# Altium PCB MainBoard.PcbDoc (part 2 of 4)
Units mm, origin at the board's own origin, x right, y up, seen from the top; angles counter-clockwise.
Board outline 107.12 x 107.12 mm, 4 copper layers (Top Layer, Internal Plane 1, Internal Plane 2, Bottom Layer), stack 1.56 mm thick; 344 components, 254 nets, 1322 pads, 508 vias.
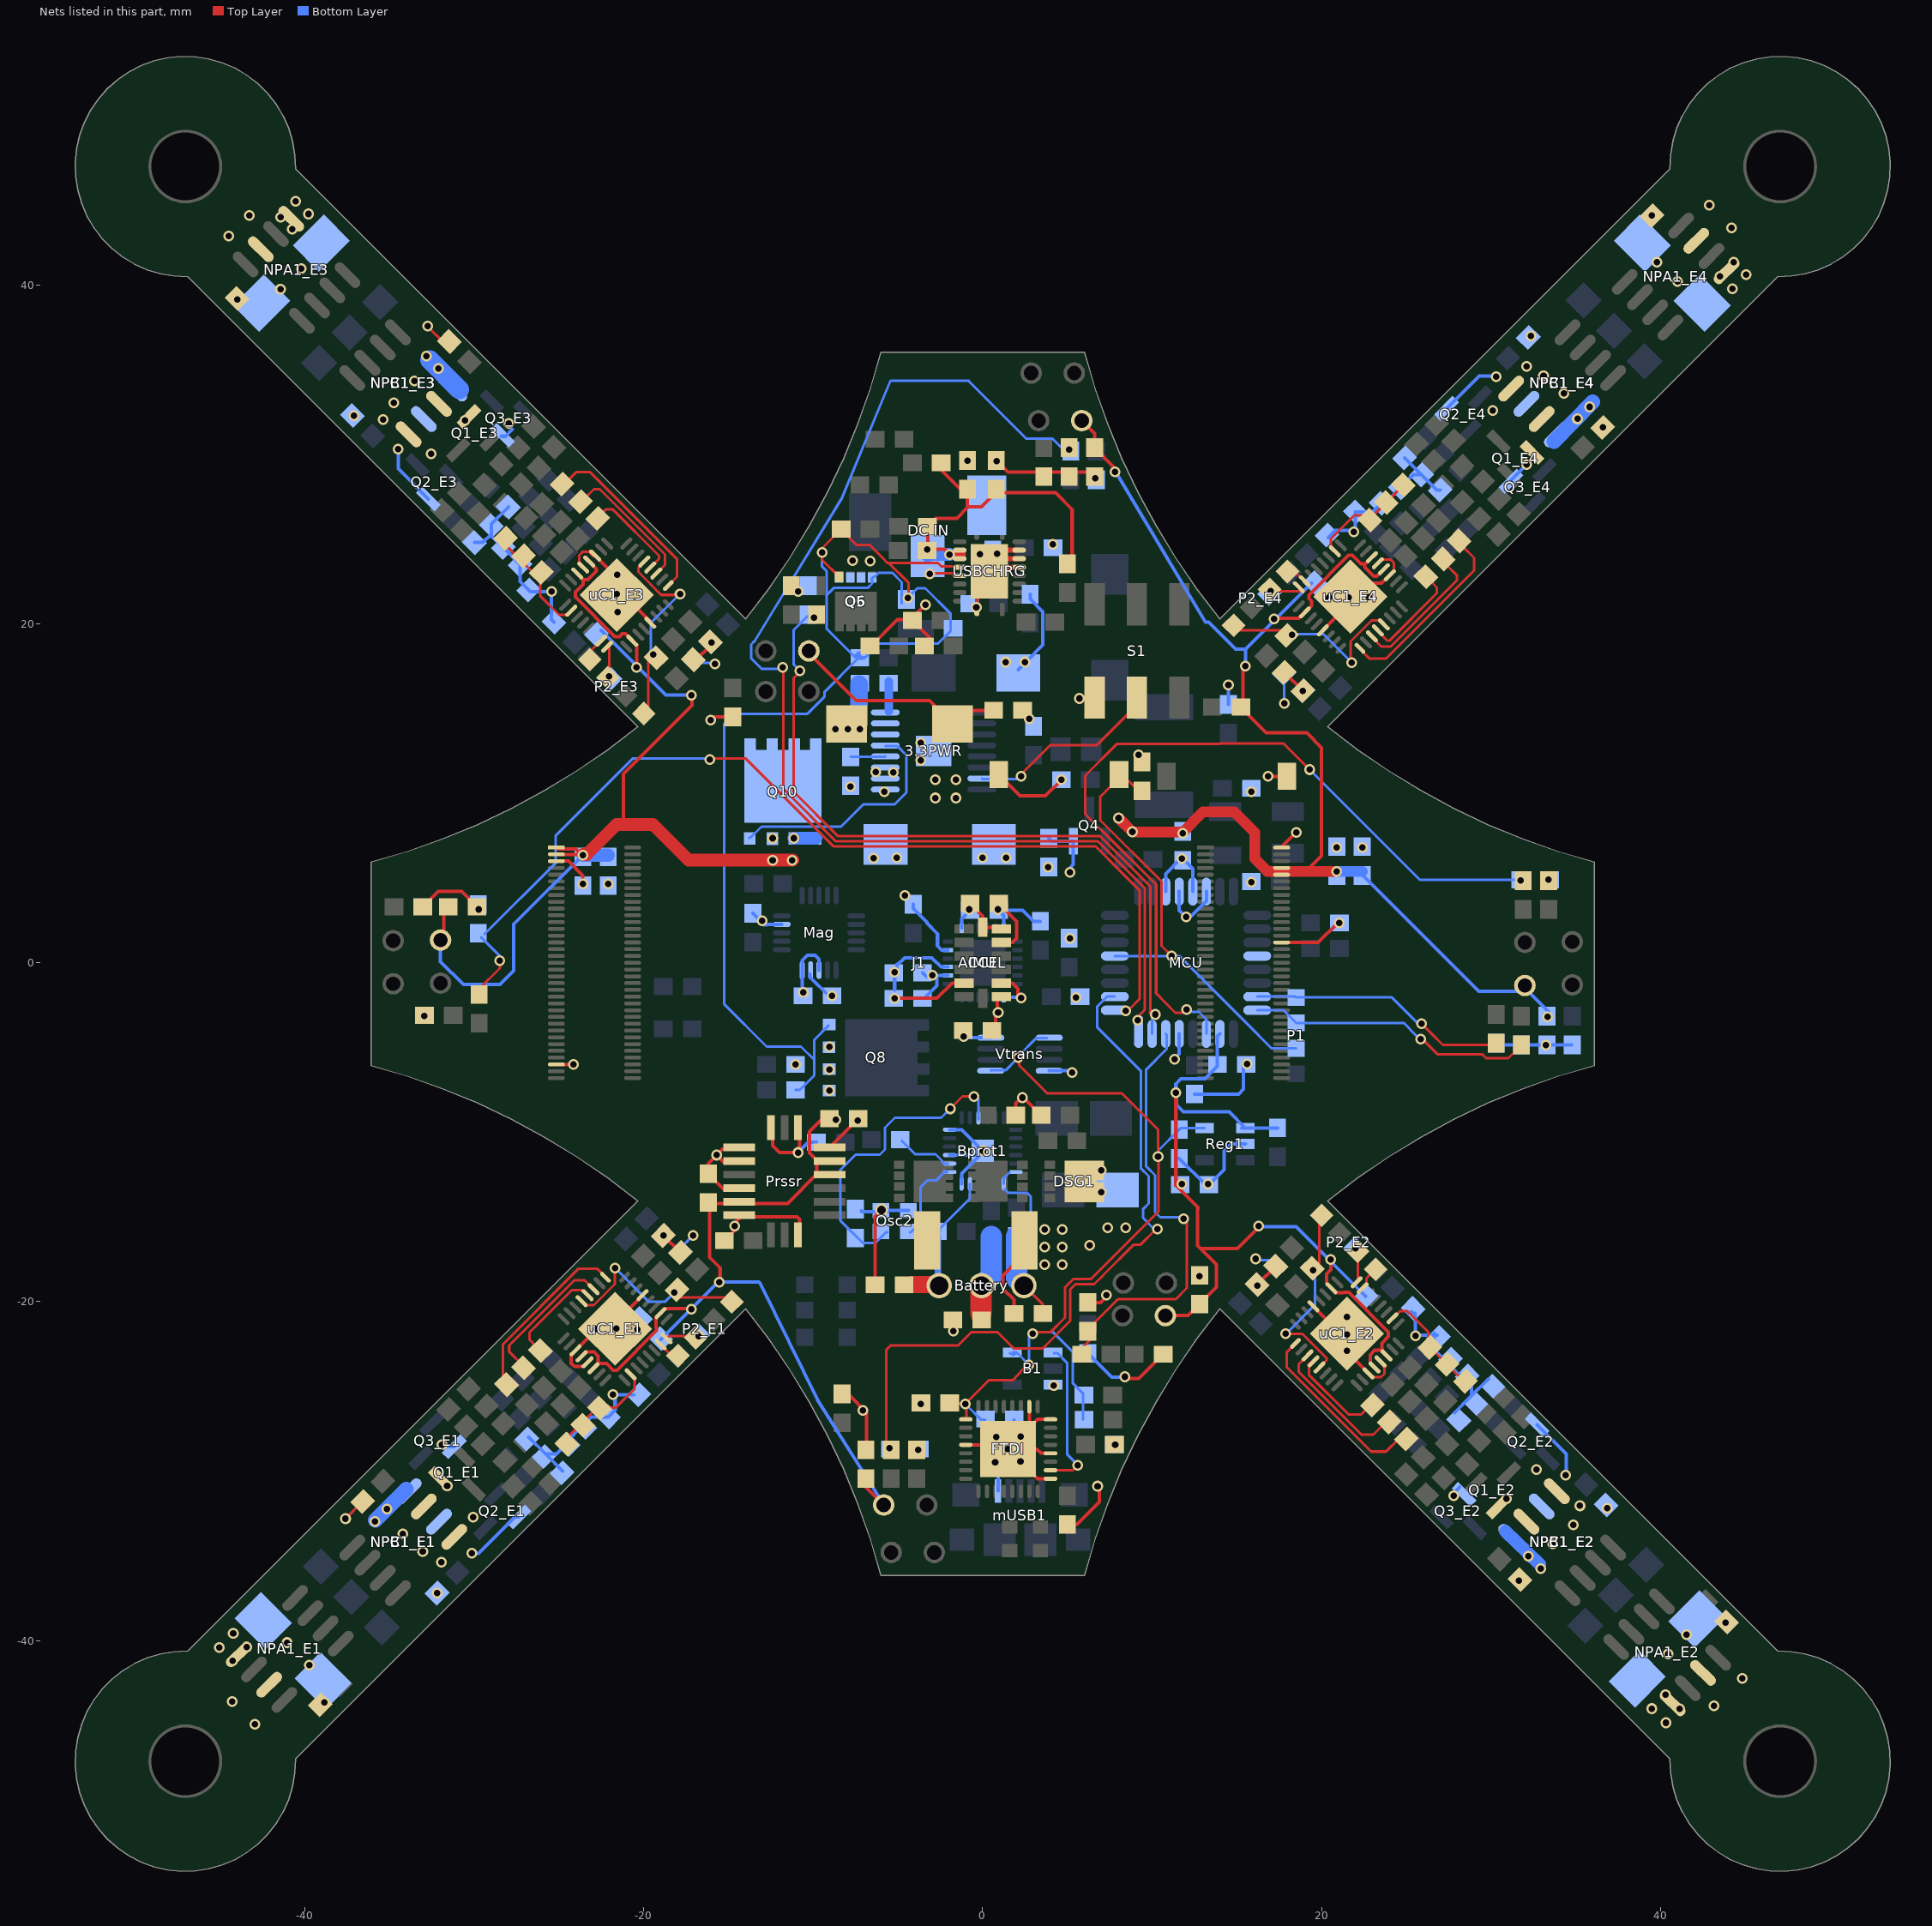
[diagram p4: the nets of this part, all layers, seen from the top]

## Part data
3.3PWR: library part TPS54356
B1: library part 74AHC1G126DCK
C1 C2 C3 C4 C5 C6 C7 C8 C9 C10 C24 C25 C26 C27 C28 C29 C30 C31 C32 C33 C34 C35 C36 C37 C38 C39 C40 C41 C42 C43 C44 C45_E1 C45_E2 C45_E3 C45_E4 C46 C48 C51 C53 C54 C55_E1 C55_E2 C55_E3 C55_E4 C56 C57 C58 C60 C61 C62 C63 C64 C65 Cesc1_E1 Cesc1_E2 Cesc1_E3 Cesc1_E4: library part Cap, "Capacitor"
C11 C12 C13 C14 C15 C16 C18 C19 C20 C21 C22 C23: "Capacitor"
C47_E1 C47_E2 C47_E3 C47_E4 C66: "Solid Tantalum Chip Capacitor, T492 Series - CWR11 Style Per Mil-PRF-55365/8"
C50 C52: "Polarized Capacitor (Surface Mount)"
C59: "Polymer Tantalum Chip Capacitor, T520 Series - KO-CAP Polymer"
CHG1 DSG1 Q5 Q6 Q7: "P-Channel MOSFET"
CHRG DONE LED1 LED2 LED_E1 LED_E2 LED_E3 LED_E4 PWR PWRON RX1 TX1: "Typical INFRARED GaAs LED"
D14 D15: "Schottky Rectifier"
"DC IN": "Low Voltage Power Supply Connector"
E1 E2 E3 E4 E5 E6: library part LED0, "Typical INFRARED GaAs LED"
FB2 FB3: library part Inductor, "Inductor"
FTDI: "FT232R USB UART"
"GSTIX RESET" RESET S1: "Switch"
IMU: library part IMU-3000, "Triple axis gyroscope with built in sensor fusion with external accelerometer"
J1: library part GUMSTIX
JP3 JP4: library part Res2, "Resistor"
Mag: library part "Magnetometer HMC5843"
MCU uC1_E1 uC1_E2 uC1_E3 uC1_E4: "8-Bit AVR Microcontroller with 8K Bytes of In-System Programmable Flash Memory"
MTR1_E1 MTR1_E2 MTR1_E3 MTR1_E4: library part MOTOR
NPA1_E1 NPA1_E2 NPA1_E3 NPA1_E4 NPB1_E1 NPB1_E2 NPB1_E3 NPB1_E4 NPC1_E1 NPC1_E2 NPC1_E3 NPC1_E4: library part AP4503AGM
Osc2: library part 32Khz_Oscillator
P1 P2_E1 P2_E2 P2_E3 P2_E4: "Header, 4-Pin"
Q1_E1 Q1_E2 Q1_E3 Q1_E4 Q2_E1 Q2_E2 Q2_E3 Q2_E4 Q3_E1 Q3_E2 Q3_E3 Q3_E4: "NPN General Purpose Amplifier"
Q4: library part MOSFET-P, "P-Channel MOSFET"
Q8 Q10: "N-Channel MOSFET"
R1 R2 R3 R4_E1 R4_E2 R4_E3 R4_E4 R5_E1 R5_E2 R5_E3 R5_E4 R7_E1 R7_E2 R7_E3 R7_E4 R8_E1 R8_E2 R8_E3 R8_E4 R9_E1 R9_E2 R9_E3 R9_E4 R10_E1 R10_E2 R10_E3 R10_E4 R12_E1 R12_E2 R12_E3 R12_E4 R13_E1 R13_E2 R13_E3 R13_E4 R14_E1 R14_E2 R14_E3 R14_E4 R15_E1 R15_E2 R15_E3 R15_E4 R16_E1 R16_E2 R16_E3 R16_E4 R17_E1 R17_E2 R17_E3 R17_E4 R18_E1 R18_E2 R18_E3 R18_E4 R19_E1 R19_E2 R19_E3 R19_E4 R20_E1 R20_E2 R20_E3 R20_E4 R21_E1 R21_E2 R21_E3 R21_E4 R22_E1 R22_E2 R22_E3 R22_E4 R23_E1 R23_E2 R23_E3 R23_E4 R24_E1 R24_E2 R24_E3 R24_E4 R25_E1 R25_E2 R25_E3 R25_E4 R26_E1 R26_E2 R26_E3 R26_E4 R27 R28 R29 R30 R31 R32 R33 R34_E1 R34_E2 R34_E3 R34_E4 R35 R36 R37 R38 R39 R40 R41 R42 R43 R44 R45 R46 R47 R48 R49 R50 R51 R57 R58 R59 R60 R61 R62 R64 R65 R66 R67_E1 R67_E2 R67_E3 R67_E4 R68_E1 R68_E2 R68_E3 R68_E4 R69_E1 R69_E2 R69_E3 R69_E4 R70_E1 R70_E2 R70_E3 R70_E4 R71 R72 R73 R74 R75 R76_E1 R76_E2 R76_E3 R76_E4 R77 Rsns2: "Resistor"
R6_E1 R6_E2 R6_E3 R6_E4 R11_E1 R11_E2 R11_E3 R11_E4 R52 R53 R54 R55 R56 R63 Rsns1: library part Rpull, "Resistor"
SENS1 SENS2 SENS3 SENS4 SENS5 SENS6: library part "Photo Sen", "Photosensitive Diode"
Temp: "Thermistor"
XTAL: "Crystal Oscillator"

## Free pads (board coordinates)
  round 4.356 hole 4: 1(-47.062,-47.126) 1(-47.062,46.997) 1(47.062,-47.126) 1(47.062,46.997)

## Via types
v1: diameter 0.635, hole 0.381, Top Layer to Bottom Layer, 475 vias
v2: diameter 1.304, hole 1.05, Top Layer to Bottom Layer, 8 vias
v3: diameter 1.804, hole 1.55, Top Layer to Bottom Layer, 8 vias
v4: diameter 2.006, hole 1.65, Top Layer to Bottom Layer, 4 vias
v5: diameter 1.006, hole 0.65, Top Layer to Bottom Layer, 4 vias
v6: diameter 1.856, hole 1.5, Top Layer to Bottom Layer, 4 vias
v7: diameter 1.956, hole 1.6, Top Layer to Bottom Layer, 2 vias
v8: diameter 0.762, hole 0.508, Top Layer to Bottom Layer, 1 vias
v9: diameter 0.7, hole 0.4, Top Layer to Bottom Layer, tented top, 1 vias
v10: diameter 0.635, hole 0.381, Top Layer to Bottom Layer, tented top, 1 vias

## Nets (pads, with @x,y where several pads share a name; then routed paths per layer and width w, separated by ;. In a path a pad name is that pad's centre, name@x,y a point inside that pad or via, vN(x,y) a via of type N, cw(c..) or ccw(c..) an arc to the next point about the centre after c; other vN are vias at no path point)
1.8_GSTIX: B1.5 C7.1 C63.2 C65.1 FTDI.1 Reg1.5 RX1.1 TX1.1 Vtrans.1 Vtrans.5 | length 53.5
  Top Layer w0.152: C65.1@-1.95,-26 -1,-26 v1@-0.95,-25.95 ; FTDI.1@-1,-26.95 -0.95,-26.9 v1@-0.95,-25.95 ; v1@2.05,-5.7 2.12,-5.56 v1@2.15,-5.5 ; v1@2.125,-5.475 v1@2.15,-5.5 ; v1@2.659,-23.691 1.788,-24.635 0.365,-24.635 v1@-0.95,-25.95 ; v1@3.05,-21.7 3.163,-21.813 3.987,-21.813 4.862,-20.938 4.862,-19.153 5.353,-18.662 6.388,-18.662 10.37,-14.68 10.37,-11.47 v1(10.35,-11.45) 10.35,-9.9 ; 10.35,-9.85 8.2,-7.7 3.8,-7.7 2.15,-6.05 2.15,-5.55 v1@2.15,-5.5
  Bottom Layer w0.152: v1@-1.015,-26.054 -0.069,-27 C63.2@0.15,-27 ; C63.2@0.05,-26.95 C63.2@0.1,-27 ; Vtrans.1@0.475,-6.375 0.475,-6.35 1.35,-6.35 2,-5.7 v1@2.05,-5.7 ; B1.5@1.6,-23.05 1.76,-23.13 1.8,-23.15 1.84,-23.13 B1.5@2,-23.05 ; B1.5@1.766,-22.995 1.995,-22.995 v1(2.732,-23.731) ; v1@2.125,-5.475 3.15,-4.45 Vtrans.5@3.8,-4.45 ; v1@2.745,-23.688 2.745,-22.055 v1@2.904,-21.896 ; v1@2.915,-21.813 4.163,-21.813 5.325,-22.975 5.325,-24.828 5.93,-25.433 RX1.1@5.93,-26.954 ; v1(10.35,-11.45) 10.35,-11.1 C7.1@11.6,-9.85 ; C7.1@11.35,-9.85 C7.1@11.6,-9.85 ; Reg1.5@13.1,-9.75 11.7,-9.75 C7.1@11.6,-9.85
  other v1: -1.015,-26.034 2.954,-21.88 2.098,-5.583
3.3REG: Bprot1.15 C36.1 Osc2.4 | length 18.2
  Top Layer w0.152: v1(-1.919,-8.617) -1.187,-7.885 -0.537,-7.885 v1@-0.528,-7.894
  Bottom Layer w0.152: Osc2.4@-5.613,-15.906 -5.706,-15.906 -6.33,-16.53 -7.09,-16.53 -8.39,-15.23 -8.39,-12.21 -7.5,-11.32 -6.073,-11.32 -5.771,-11.019 -5.771,-9.732 -5.19,-9.15 -2.453,-9.15 v1@-1.956,-8.654 ; Bprot1.15@-0.25,-9.25 Bprot1.15@-0.25,-9.15 v1@-0.25,-8.05
  other v1: -0.51,-7.903
3.3V: 3.3PWR.9 ACCEL.1 ACCEL.6 ACCEL.7 C2.1 C3.2 C4.2 C5.1 C8.1 C10.1 C11.2 C12.2 C13.2 C14.2 C15.2 C16.2 C24.1 C40.2 C41.2 C43.1 C44.1 C50.1 C52.1 C54.1 C55_E1.1 C55_E2.1 C55_E3.1 C55_E4.1 C56.2 C57.2 C59.1 IMU.8 IMU.13 J1.66 J1.67 J1.71 J1.72 L4.2 Mag.16 Mag.18 MCU.4 MCU.6 MCU.18 Prssr.5 Prssr.12 Prssr.13 PWRON.1 Q4.2 R3.2 R47.2 R66.2 R73.1 Reg1.1 SENS1.1 SENS2.1 SENS3.1 SENS4.1 SENS5.1 SENS6.1 uC1_E1.4 uC1_E1.6 uC1_E1.18 uC1_E2.4 uC1_E2.6 uC1_E2.18 uC1_E3.4 uC1_E3.6 uC1_E3.18 uC1_E4.4 uC1_E4.6 uC1_E4.18 Vtrans.8 | length 280.8
  Top Layer w0.203: SENS3.1@-32,1.34 -31.8,1.54 -31.8,3.05 C14.2@-31.55,3.3 ; J1.72@-25.161,6.4 v1@-23.697,6.4 ; J1.71@-25.161,6.8 -25.079,6.718 -24.015,6.718 v1@-23.697,6.4 ; uC1_E3.6@-23.933,22.973 -23.561,22.6 -23.305,22.6 -22.8,23.105 -22.8,23.254 uC1_E3.4@-23.226,23.68 ; uC1_E1.4@-23.68,-23.226 -23.425,-22.971 -22.94,-22.971 -22.703,-23.208 -22.703,-23.628 -22.697,-23.634 uC1_E1.6@-22.718,-23.654 ; v1@-23.647,6.35 v1@-23.697,6.4 ; -23.577,22.603 -23.577,22.334 -24.046,21.865 -24.046,21.595 -21.705,19.254 -21.435,19.254 -21.28,19.409 -21.077,19.409 uC1_E3.18@-20.681,19.013 -20.412,18.744 v1@-20.412,17.461 ; v1@-23.52,6.299 -23.621,6.4 v1@-23.697,6.4 ; uC1_E1.6@-23.036,-23.972 uC1_E1.6@-22.718,-23.654 ; uC1_E1.6@-22.722,-23.654 uC1_E1.6@-22.718,-23.654 ; -21.2,7.9 -21.2,8.15 -21.2,11.15 -17.15,15.2 v1@-17.15,15.7 ; uC1_E1.18@-19.013,-20.715 uC1_E1.18@-19.013,-20.681 ; v1@-17.217,-20.411 -18.743,-20.411 uC1_E1.18@-19.013,-20.681 ; C41.2@-16.2,-14.15 C41.2@-16.15,-14.2 ; v1@-15.5,-18.8 -15.5,-18 -16.114,-17.386 -16.114,-14.236 C41.2@-16.15,-14.2 ; SENS5.1@-10.26,18.4 -10.26,18.261 -7.468,15.469 -3.144,15.469 L4.2@-1.775,14.1 -0.975,14.9 C57.2@0.65,14.9 ; C40.2@-9.05,-9.2 -9.47,-9.2 -10.219,-9.949 -10.219,-11.23 -9.79,-11.659 -9.79,-12.473 -11.517,-14.2 C41.2@-16.15,-14.2 ; C15.2@-6.9,-30.45 -6.9,-30.94 SENS4.1@-5.84,-32 ; C3.2@-0.75,3.5 -0.6,3.35 0,2.75 ACCEL.7@0,2.098 0.999,2.098 ACCEL.6@1.097,2 ; C50.1@0.75,-3.8 0.75,-2.9 0.85,-2.8 0.85,-2.247 ACCEL.1@1.097,-2 ; SENS2.1@5.84,32 6.6,31.24 6.6,30.4 7.75,29.25 v1@7.75,29.2 ; R3.2@9.4,11.85 R3.2@9.425,11.875 ; SENS6.1@10.782,-20.827 12.123,-20.827 C16.2@12.8,-20.15 13.8,-19.15 13.8,-17.8 12.866,-16.866 ; v1@11.4,-7.65 11.4,-13.15 11.533,-13.283 12.7,-14.45 ; 12.7,-14.503 12.687,-14.516 12.687,-16.687 12.866,-16.866 ; 12.766,-16.766 12.866,-16.866 ; v1@15.35,17.3 15.35,14.95 16.723,13.577 19.123,13.577 20,12.7 20,7.652 20,6.315 19.1,5.415 ; v1@16.307,-15.596 15.037,-16.866 12.866,-16.866 ; v1@17.229,20.323 18.655,20.323 uC1_E4.18@19.013,20.681 ; uC1_E4.18@19.013,20.691 uC1_E4.18@19.013,20.681 ; v1@20.556,-17.57 20.556,-18.107 20.294,-18.369 20.294,-18.926 uC1_E2.18@20.581,-19.213 20.836,-19.468 21.321,-19.468 21.335,-19.454 21.605,-19.454 23.946,-21.795 23.946,-22.065 23.554,-22.457 uC1_E2.6@23.554,-22.932 ; 22.557,23.536 22.315,23.536 21.805,24.046 21.595,24.046 19.254,21.705 19.254,21.495 19.407,21.342 19.407,21.075 uC1_E4.18@19.013,20.681 ; uC1_E4.6@22.973,23.933 22.55,23.511 22.55,23.34 23.09,22.8 23.254,22.8 uC1_E4.4@23.68,23.226 ; uC1_E2.4@23.126,-23.88 22.871,-23.625 22.871,-23.139 23.141,-22.87 uC1_E2.6@23.54,-22.87 ; SENS1.1@32,-1.55 SENS1.1@32,-1.34 ; uC1_E1.6@-22.718,-23.654 -22.197,-23.654 -21.805,-24.046 -21.595,-24.046 -19.254,-21.705 -19.254,-21.495 -19.273,-21.475 -19.273,-20.941 -19.268,-20.936 uC1_E1.18@-19.013,-20.681
  Top Layer w0.635: v1@8.009,8.552 8.847,7.714 11.807,7.714 12.992,8.9 14.85,8.9 16.05,7.7 16.05,6.15 16.8,5.4 v1(20.9,5.4)
  Top Layer w0.762: v1@-23.546,6.401 -23.368,6.401 -21.619,8.15 -21.2,8.15 -19.45,8.15 -17.35,6.05 v1(-12.4,6.05) v1(-11.25,6.05) v1@-11.2,6.05
  Bottom Layer w0.203: SENS3.1@-32,1.34 -32,0.071 -30.645,-1.283 -28.483,-1.283 -27.674,-0.474 -27.674,2.276 v1(-23.6,6.35) ; C55_E3.1@-22.521,19.621 -18.7,15.8 v1(-17.2,15.8) ; C55_E1.1@-19.027,-22.258 -16.319,-19.55 -15.619,-18.85 v1@-15.6,-18.85 ; v1(-15.55,-18.85) -13.2,-18.85 -13.15,-18.9 -9.734,-25.834 SENS4.1@-5.85,-31.95 ; C56.2@-10.6,-1.95 -10.615,-1.935 -10.65,-1.9 -10.65,-0.433 -10.65,0.15 -10.35,0.45 -9.9,0.45 -9.662,0.212 Mag.18@-9.662,-0.433 ; SENS4.1@-5.87,-31.976 SENS4.1@-5.84,-32 ; C4.2@-3.55,-0.6 -3.35,-0.8 v1@-2.7,-0.8 ; C52.1@-3.35,-2 -2.7,-1.35 v1@-2.7,-0.8 ; IMU.8@-2.05,-0.75 -2.65,-0.75 v1@-2.7,-0.8 ; IMU.13@-1.25,2.05 -1.25,2.6 C5.1@-0.75,3.1 ; C11.2@3.9,7.35 4.075,7.175 Q4.2@5.35,7.175 5.35,5.8 5.156,5.606 v1(5.156,5.334) ; Vtrans.8@3.925,-6.375 4.975,-6.375 v1@5.1,-6.5 ; v1@7.713,29.178 7.822,28.996 13.15,20.1 13.338,20.1 14.932,18.506 15.51,18.506 ; MCU.4@11.6,4.2 11.6,3.1 v1(12,2.7) 12,2.75 12.05,2.8 12.35,2.8 13.2,3.65 13.2,3.738 MCU.6@13.2,4.2 ; MCU.18@14,-4.2 13.85,-4.35 C54.1@13.85,-6 13.85,-6.109 13.105,-6.854 11.696,-6.854 11.4,-7.15 11.4,-8.35 11.85,-8.8 14.55,-8.8 Reg1.1@15.5,-9.75 ; Reg1.1@15.277,-9.75 Reg1.1@15.5,-9.75 ; v1@15.4,17.3 v1@15.4,17.7 ; v1@15.503,17.521 15.503,18.499 15.51,18.506 ; 15.526,18.506 15.51,18.506 ; v1@16.332,-15.57 18.487,-15.57 C55_E2.1@22.606,-19.689 ; R73.1@17.4,-9.75 Reg1.1@15.5,-9.75 ; C55_E4.1@19.402,22.397 15.51,18.506 ; C24.1@21,5.275 21.775,5.275 22,5.275 22.325,5.275 29.28,-1.68 31.66,-1.68 SENS1.1@32,-1.34 ; SENS1.1@32,-1.5 C12.2@33.4,-2.9
  Bottom Layer w0.635: v1(20.9,5.4) C8.1@22.4,5.4
  Bottom Layer w0.762: v1(-23.6,6.35) C44.1@-22.1,6.35
  other v1: -17.189,-20.447 20.542,-17.522 16.281,-15.545 11.76,-13.056 -8.666,-9.272 11.405,-7.671 5.274,-6.481 33.35,-3.2 0.91,-2.927 5.5,-2.05 -10.582,-1.749 -2.972,-0.737 5.15,1.45 -0.8,3.15 -0.01,6.19 1.38,6.19 11.8,7.65 8.832,7.73 8.022,8.539 -2.785,9.728 -1.585,9.728 -5.8,10.1 -2.804,10.815 -1.585,10.815 9.202,12.281 -20.423,17.432 15.5,17.5 17.184,20.289 7.798,28.981
32K_CLK: Bprot1.7 Osc2.3 | length 4.9
  Bottom Layer w0.152: Osc2.3@-4.29,-15.905 -4.242,-15.905 -3.657,-15.32 -3.657,-13.237 -3.272,-12.852 -2.752,-12.852 Bprot1.7@-2.2,-12.3 ; Bprot1.7@-2.15,-12.4 Bprot1.7@-2.1,-12.35
ADC2_E1: R16_E1.2 uC1_E1.25 | length 10.4
  Top Layer w0.152: R16_E1.2@-28.2,-24.75 -28.308,-24.642 -28.308,-22.511 -23.847,-18.05 -22.765,-18.05 -22.266,-18.549 uC1_E1.25@-22.266,-18.559
ADC2_E2: R16_E2.2 uC1_E2.25 | length 10.9
  Top Layer w0.152: uC1_E2.25@18.459,-22.466 17.95,-22.975 17.95,-23.876 22.924,-28.85 23.804,-28.85 24.554,-28.1 R16_E2.2@24.85,-28.1
ADC2_E3: R16_E3.2 uC1_E3.25 | length 10.9
  Top Layer w0.152: R16_E3.2@-24.75,28.2 -24,28.95 -23.169,28.95 -18.05,23.831 -18.05,22.799 -18.038,22.787 uC1_E3.25@-18.559,22.266
ADC2_E4: R16_E4.2 uC1_E4.25 | length 10.9
  Top Layer w0.152: uC1_E4.25@22.316,18.459 22.837,17.938 22.849,17.95 23.8,17.95 29,23.15 29,23.9 28.351,24.549 R16_E4.2@28.25,24.65
ADC4_E1: R15_E1.2 uC1_E1.27 | length 8.3
  Top Layer w0.152: R15_E1.2@-27.1,-23.8 -27.95,-22.95 -27.95,-22.584 -24.118,-18.752 -23.487,-18.752 uC1_E1.27@-22.973,-19.267
ADC4_E2: R15_E2.2 uC1_E2.27 | length 8.3
  Top Layer w0.152: uC1_E2.27@19.167,-23.173 18.65,-23.689 18.65,-24.144 22.356,-27.85 23.05,-27.85 23.899,-27.001 R15_E2.2@23.9,-27
ADC4_E3: R15_E3.2 uC1_E3.27 | length 8.3
  Top Layer w0.152: R15_E3.2@-23.8,27.1 -23.524,27.376 -22.95,27.95 -22.6,27.95 -18.752,24.102 -18.752,23.487 uC1_E3.27@-19.267,22.973
ADC4_E4: R15_E4.2 uC1_E4.27 | length 8.3
  Top Layer w0.152: uC1_E4.27@23.023,19.167 23.537,18.652 24.071,18.652 28,22.581 28,22.85 27.326,23.524 R15_E4.2@27.15,23.7
ADC5_E1: R14_E1.2 uC1_E1.28 | length 5.7
  Top Layer w0.152: R14_E1.2@-26.25,-22.75 -26.75,-22.25 -26.75,-21.816 -24.264,-19.329 -23.617,-19.329 uC1_E1.28@-23.326,-19.62
ADC5_E2: R14_E2.2 uC1_E2.28 | length 5.7
  Top Layer w0.152: uC1_E2.28@19.52,-23.526 19.424,-23.526 19.25,-23.7 19.25,-24.313 21.587,-26.65 22.35,-26.65 R14_E2.2@22.85,-26.15
ADC5_E3: R14_E3.2 uC1_E3.28 | length 5.9
  Top Layer w0.152: R14_E3.2@-22.75,26.25 -22.549,26.451 -22.25,26.75 -21.831,26.75 -19.109,24.028 -19.109,23.837 uC1_E3.28@-19.62,23.326
ADC5_E4: R14_E4.2 uC1_E4.28 | length 5.8
  Top Layer w0.152: uC1_E4.28@23.376,19.52 23.887,19.009 23.997,19.009 26.8,21.812 26.8,22.15 26.376,22.574 R14_E4.2@26.3,22.65
ANALOG_COMP_E1: R18_E1.2 R20_E1.2 R22_E1.2 uC1_E1.10 | length 6.8
  Top Layer w0.152: R18_E1.2@-24.706,-28.328 -24.706,-28.208 -23.699,-27.201 -22.699,-26.201 -22.499,-26.201 R22_E1.2@-22.001,-26.201 ; R22_E1.2@-22.45,-26.25 -21.65,-26.25 -20.537,-25.137 -20.537,-24.531 uC1_E1.10@-20.681,-24.387
ANALOG_COMP_E2: R18_E2.2 R20_E2.2 R22_E2.2 uC1_E2.10 | length 6.6
  Top Layer w0.152: uC1_E2.10@24.187,-20.981 24.219,-20.981 24.65,-20.55 25.053,-20.55 26.301,-21.798 26.301,-22.599 27.301,-23.599 28.308,-24.606 R18_E2.2@28.428,-24.606
ANALOG_COMP_E3: R18_E3.2 R20_E3.2 R22_E3.2 uC1_E3.10 | length 6.1
  Top Layer w0.152: R18_E3.2@-28.328,24.706 -28.208,24.706 -28.151,24.649 -27.126,23.624 R22_E3.2@-26.201,22.699 ; R22_E3.2@-26.108,22.571 -26.108,21.642 -25.003,20.537 -24.531,20.537 uC1_E3.10@-24.387,20.681
ANALOG_COMP_E4: R18_E4.2 R20_E4.2 R22_E4.2 uC1_E4.10 | length 6.5
  Top Layer w0.152: uC1_E4.10@20.731,24.287 20.551,24.467 20.551,25.022 21.93,26.401 R22_E4.2@22.662,26.401 ; R22_E4.2@22.749,26.101 23.624,26.976 24.756,28.108 R18_E4.2@24.756,28.228
BATT+: Battery.1 Bprot1.1 Bprot1.24 C33.1 C47_E1.1 C47_E2.1 C47_E3.1 C47_E4.1 D14.1 DSG1.3 NPA1_E1.3 NPA1_E2.3 NPA1_E3.3 NPA1_E4.3 NPB1_E1.3 NPB1_E2.3 NPB1_E3.3 NPB1_E4.3 NPC1_E1.3 NPC1_E2.3 NPC1_E3.3 NPC1_E4.3 R34_E1.1 R34_E2.1 R34_E3.1 R34_E4.1 R52.2 R67_E1.2 R67_E2.2 R67_E3.2 R67_E4.2 R69_E1.1 R69_E2.1 R69_E3.1 R69_E4.1 R70_E1.1 R70_E2.1 R70_E3.1 R70_E4.1 | length 19.5
  Top Layer w0.152: v1@-37.643,-32.848 -37.643,-32.843 R70_E1.1@-36.601,-31.801 ; v1@-32.778,37.567 -31.88,36.669 R70_E3.1@-31.487,36.669 ; Battery.1@2.35,-18.97 Battery.1@2.43,-19.05 3.55,-20.17 C33.1@3.55,-20.7
  Top Layer w1.27: Battery.1@2.35,-18.97 Battery.1@2.43,-19.05
  Bottom Layer w0.152: R67_E1.2@-17.849,-17.099 -17.849,-16.849 v1(-17.1,-16.1) ; R67_E3.2@-16.999,17.699 -15.749,17.699 v1@-15.65,17.7 ; Bprot1.1@1.25,-13.05 1.25,-12.7 Bprot1.24@1.59,-12.36 ; Bprot1.1@1.28,-13.35 1.52,-13.59 2.63,-13.59 2.835,-13.795 2.835,-14.716 2.845,-14.726 2.845,-15.305 R52.2@1.999,-16.151 ; v1@16.2,-17.5 16.25,-17.55 16.95,-17.55 R67_E2.2@17.299,-17.899 ; R67_E4.2@17.799,17.099 17.799,15.401 v1@17.8,15.4
  Bottom Layer w1.27: R52.2@1.999,-16.151 1.999,-18.619 2,-18.62 Battery.1@2.43,-19.05